# KiCad board Backplane_v2.kicad_pcb (continued)
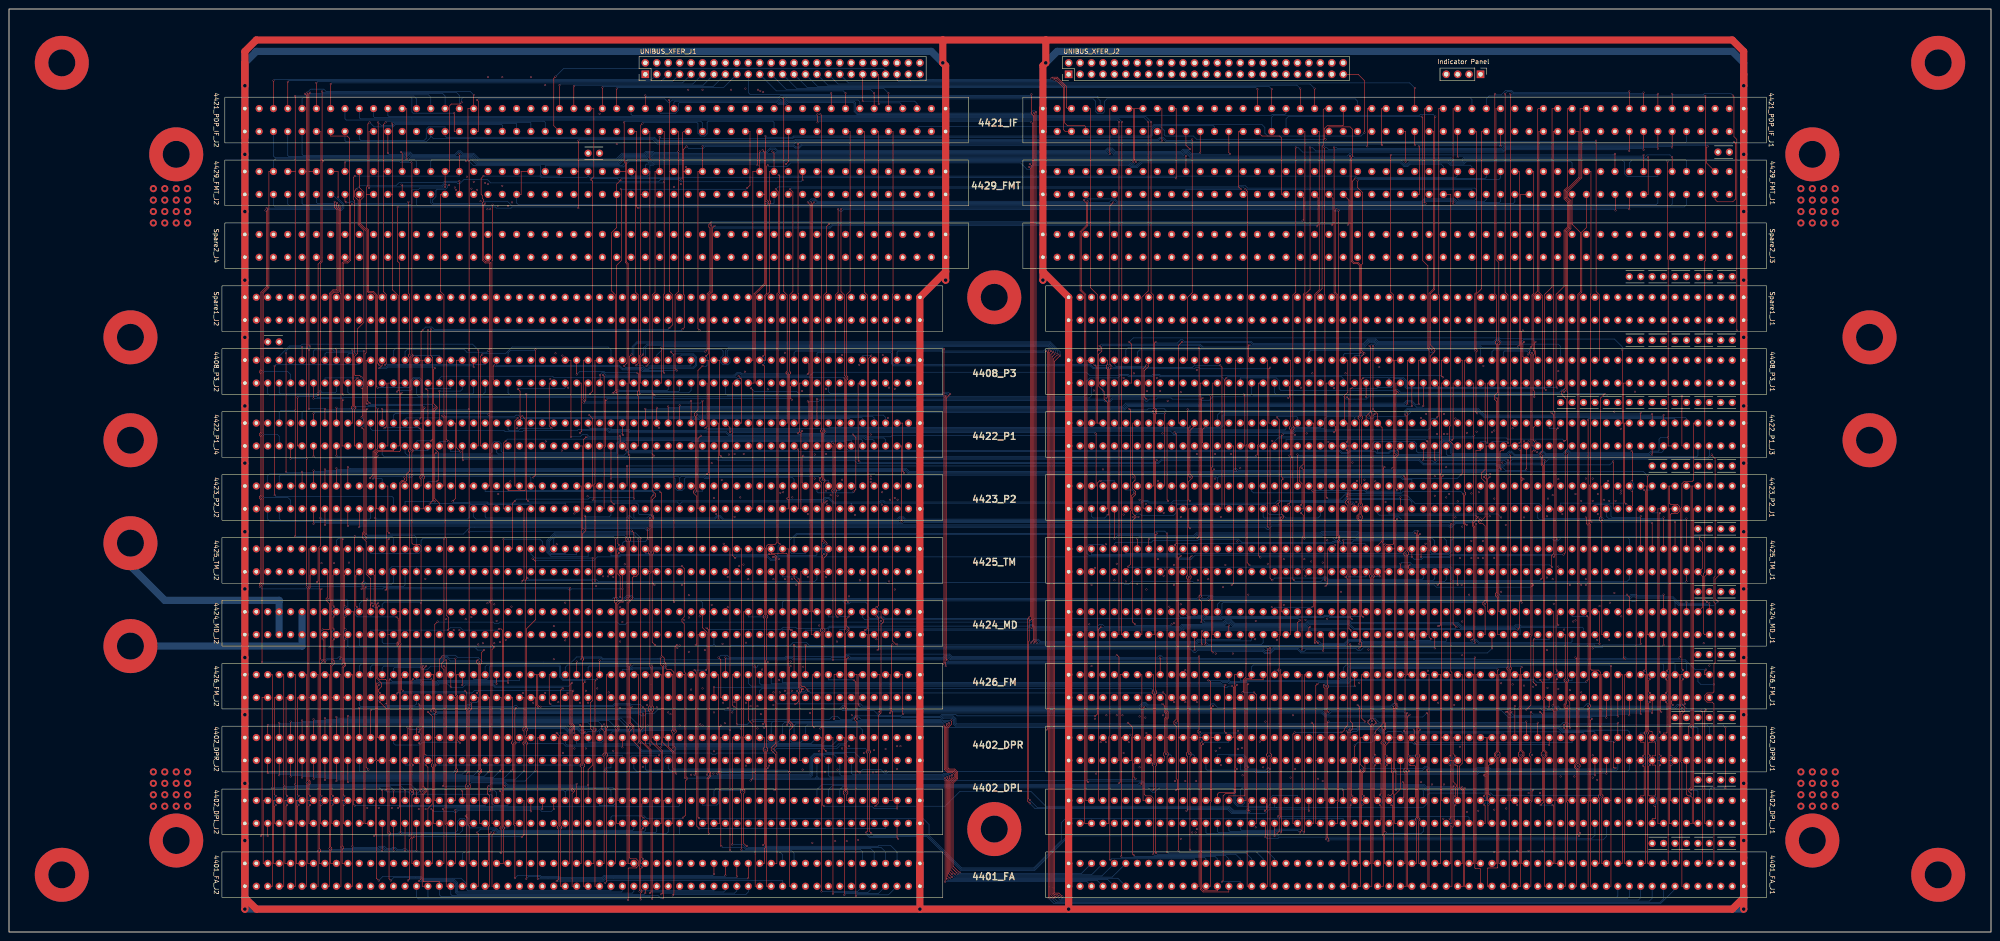
[diagram p0: board, top side]
## Routing (per net, layer and track width the routed paths; a pad name or vN(x,y) marks a point on that pad's centre or on a via; arc(x,y) is an arc through that point) (continued)
MAINC*: length 229.4
  F.SigTop w0.127: v2(134.27,95) 133.64,95.63 4423_P2_J2.55 ; v2(326.68,91.82) 326.17,91.31 326.17,91.06 326.55,90.68 327.19,90.68 327.7,90.17 327.7,73.66 327.19,73.15 327.19,72.77 327.7,72.26 327.7,66.04 4424_MD_J1.48
  B.Sig.Top w0.127: v2(326.68,91.82) 326.3,91.44 309.28,91.44 308.52,92.2 307.76,92.2 307.25,91.69 199.05,91.69 198.54,92.2 197.65,92.2 197.14,91.69 158.66,91.69 157.9,92.46 157.13,92.46 156.63,91.95 143.29,91.95 142.53,92.71 139.99,92.71 139.74,92.96 139.74,94.87 139.36,95.25 134.53,95.25 v2(134.27,95)
MALD*: length 292
  F.SigTop w0.127: 4424_MD_J1.45 328.2,71.12 328.2,100.58 v2(328.71,101.09) ; 4423_P2_J2.103 v2(72.68,103)
  B.Sig.Top w0.127: v2(328.71,101.09) 327.82,101.98 199.81,101.98 199.05,102.74 72.93,102.74 v2(72.68,103)
MALD*A: length 48.1
  F.Sig.In w0.127: v2(158.21,100.39) 158.4,100.2 159.29,100.2 159.8,100.71 159.8,105.28 159.04,106.04 4422_P1_J4.36
  B.Sig.In w0.127: 4423_P2_J2.65 120.94,100.08 121.19,100.33 133.39,100.33 133.51,100.2 133.89,100.2 134.02,100.33 151.04,100.33 151.29,100.58 158.02,100.58 v2(158.21,100.39)
MD00*: length 163.7
  F.SigTop w0.127: v2(186.47,70.1) 185.96,69.6 185.96,67.94 186.47,67.44 186.47,67.06 185.71,66.29 v2(185.71,30.99) ; 4402_DPL_J1.71 v2(296.2,31.5)
  B.Sig.Top w0.127: v2(186.47,70.1) 184.44,70.1 4424_MD_J2.15 ; v2(296.2,31.5) 295.95,31.75 274.61,31.75 274.36,31.5 274.36,28.7 273.85,28.19 272.83,28.19 272.2,28.83 272.2,31.62 271.82,32 255.31,32 254.29,30.99 253.91,30.99 252.89,32 186.09,32 185.71,31.62 v2(185.71,30.99)
MD01*: length 198.7
  F.SigTop w0.127: v2(153.2,25.27) 152.94,25.53 152.94,66.04 4424_MD_J2.40
  B.Sig.Top w0.127: v2(153.2,25.27) 153.32,25.15 202.98,25.15 204.25,23.88 204.25,21.46 211.49,14.22 227.49,14.22 233.59,20.32 233.59,24.26 234.48,25.15 296.2,25.15 4402_DPL_J1.72
MD02*: length 408.6
  F.SigTop w0.127: v2(184.69,160.53) 184.69,142.24 185.46,141.48 185.46,123.63 185.85,123.24 185.85,122.82 185.71,122.68 185.71,67.31 185.84,67.18 v2(185.96,67.18) ; 4429_FMT_J1.18 v2(359.7,160.53) ; v2(294.68,160.53) 294.42,160.27 294.42,142.11 294.93,141.61 294.93,88.01 295.18,87.76 295.18,87.12 294.93,86.87 294.93,29.21 4402_DPL_J1.73
  B.Sig.Top w0.127: v2(185.96,67.18) 184.44,67.18 4424_MD_J2.16 ; v2(184.69,160.53) 184.95,160.78 294.42,160.78 v2(294.68,160.53) 294.93,160.78 359.45,160.78 v2(359.7,160.53)
MD2A2: length 206.4
  F.SigTop w0.127: v2(191.43,128.02) 190.79,127.38 v2(190.79,40) ; v2(92.49,37.08) 93,36.58 4402_DPL_J2.87 ; v2(92.49,39.24) 92.24,39.5 92.24,42.42 4402_DPR_J2.87
  B.Sig.Top w0.127: v2(190.79,40) 190.79,40.13 190.15,40.77 186.09,40.77 185.33,41.53 184.57,41.53 183.81,40.77 170.47,40.77 169.45,39.75 157.13,39.75 156.88,39.5 156.12,39.5 155.87,39.75 132.12,39.75 131.61,39.24 v2(92.49,39.24) 91.98,38.74 91.98,37.59 v2(92.49,37.08) ; v2(191.43,128.02) 189.52,128.02 4408_P3_J2.11
MD2DP: length 234.3
  F.SigTop w0.127: 94.02,38.1 4402_DPR_J2.88 ; 94.02,38.1 94.02,47.88 v2(93,48.89) ; 94.02,38.1 94.02,37.47 93.76,37.21 93.76,36.83 94.02,36.58 94.02,28.45 93,27.43 4402_DPL_J2.88 ; v2(242.35,100.2) 242.1,100.2 241.59,99.69 241.59,48.39 241.21,48.01 v2(241.08,48.01)
  B.Sig.Top w0.127: 4423_P2_J1.111 245.4,100.2 v2(242.35,100.2) ; v2(241.08,48.01) 210.48,48.01 210.22,48.26 207.05,48.26 206.67,47.88 198.28,47.88 198.03,48.13 193.08,48.13 192.06,49.15 185.07,49.15 184.82,49.4 160.94,49.4 160.82,49.28 158.91,49.28 158.66,49.53 144.18,49.53 143.17,48.51 141.51,48.51 141.01,48.01 140.37,48.01 139.86,48.51 95.16,48.51 94.91,48.26 93.63,48.26 v2(93,48.89)
MD2M2: length 111.8
  F.SigTop w0.127: v2(127.8,92.46) 128.05,92.2 128.05,89.15 127.29,88.39 127.29,61.09 127.54,60.83 127.54,60.45 127.29,60.2 v2(127.29,37.08) ; 4402_DPL_J2.86 94.27,24.13 v2(94.27,37.08)
  B.Sig.Top w0.127: 4423_P2_J2.56 133.64,92.58 133.26,92.2 128.05,92.2 v2(127.8,92.46) ; 95.54,37.08 4402_DPR_J2.86 ; 95.54,37.08 v2(94.27,37.08) ; 95.54,37.08 v2(127.29,37.08)
MD03*: length 409.2
  F.SigTop w0.127: 4402_DPL_J1.74 294.93,24.13 294.93,28.83 295.18,29.08 295.18,86.74 295.44,87 295.44,87.88 295.18,88.14 v2(295.18,160.27) ; v2(183.93,69.98) 183.42,70.49 183.42,97.66 183.68,97.92 183.68,98.17 183.42,98.42 183.42,141.48 184.06,142.11 v2(184.06,160.53) ; v2(356.65,160.27) 356.65,163.7 4429_FMT_J1.20
  B.Sig.Top w0.127: v2(356.65,160.27) 356.4,160.53 295.44,160.53 v2(295.18,160.27) 295.05,160.14 294.3,160.14 293.91,160.53 185.33,160.53 184.82,160.02 184.57,160.02 v2(184.06,160.53) ; 4424_MD_J2.17 181.9,69.98 v2(183.93,69.98)
MD3BSY: length 111
  F.SigTop w0.127: 4408_P3_J1.74 292.39,121.92 292.39,96.65 v2(292.64,96.39) ; v2(350.05,92.08) 350.18,91.95 350.18,90.68 350.56,90.3 350.56,71.12 4424_MD_J1.29
  B.Sig.Top w0.127: v2(292.64,96.39) 292.9,96.14 295.56,96.14 296.83,97.41 297.22,97.41 297.6,97.03 310.3,97.03 312.2,95.12 339.76,95.12 340.4,94.49 340.4,92.08 340.65,91.82 349.79,91.82 v2(350.05,92.08)
MD3REJ: length 140.4
  F.SigTop w0.127: 4424_MD_J1.26 353.6,66.04 353.6,90.93 353.1,91.44 353.1,92.08 353.35,92.33 353.35,118.62 v2(354.24,119.51)
  B.Sig.Top w0.127: v2(354.24,119.51) 354.11,119.63 346.24,119.63 345.48,120.4 344.71,120.4 344.21,119.89 308.9,119.89 308.26,120.52 307.88,120.52 307.63,120.27 282.36,120.27 281.98,120.65 281.98,122.43 281.34,123.06 273.34,123.06 4408_P3_J1.90
MD04*: length 295.9
  F.SigTop w0.127: 4429_FMT_J1.32 335.57,163.83 335.57,108.84 v2(335.32,108.58) ; v2(335.32,107.19) 335.57,106.93 335.57,73.53 335.32,73.28 335.32,67.56 v2(334.94,67.18) ; v2(242.48,67.82) 241.84,67.18 241.84,29.21 4402_DPL_J1.113
  B.Sig.Top w0.127: v2(335.32,107.19) 335.57,107.44 335.57,108.33 v2(335.32,108.58) ; v2(334.94,67.18) 298.49,67.18 297.34,68.33 288.71,68.33 288.2,67.82 271.69,67.82 270.93,68.58 270.42,68.58 269.91,68.07 260.51,68.07 260,67.56 242.73,67.56 v2(242.48,67.82) 242.23,67.56 227.62,67.56 227.11,68.07 226.86,68.07 226.1,67.31 190.66,67.31 190.28,67.69 182.28,67.69 181.9,67.31 4424_MD_J2.18
MD05*: length 390
  F.SigTop w0.127: 4424_MD_J2.19 178.34,71.12 178.34,161.67 v2(178.73,162.05) ; 4402_DPL_J1.114 244.13,24.13 244.13,43.31 244.38,43.56 244.38,124.97 244.64,125.22 244.64,125.86 244.38,126.11 244.38,161.29 v2(245.15,162.05)
  B.Sig.Top w0.127: 4429_FMT_J1.34 334.3,162.18 333.92,161.8 321.22,161.8 320.71,162.31 314.36,162.31 313.85,161.8 245.4,161.8 v2(245.15,162.05) 244.89,161.8 178.98,161.8 v2(178.73,162.05)
MD06*: length 389
  F.SigTop w0.127: 4402_DPL_J1.115 239.05,29.21 239.05,141.61 238.03,142.62 238.03,155.45 239.43,156.84 v2(239.43,162.31) ; 4424_MD_J2.20 178.09,66.04 178.09,161.93 v2(177.96,162.05)
  B.Sig.Top w0.127: 4429_FMT_J1.36 331.12,162.31 330.87,162.05 321.35,162.05 320.84,162.56 314.23,162.56 313.73,162.05 245.91,162.05 245.4,162.56 244.76,162.56 244.26,162.05 239.69,162.05 v2(239.43,162.31) 239.18,162.05 179.36,162.05 178.85,162.56 178.47,162.56 v2(177.96,162.05)
MD07*: length 386.6
  F.SigTop w0.127: v2(238.67,162.56) 238.67,162.43 239.18,161.93 239.18,156.97 237.78,155.57 237.78,142.49 238.8,141.48 238.8,24.13 4402_DPL_J1.116 ; v2(177.33,162.05) 177.84,161.54 177.84,71.12 4424_MD_J2.21
  B.Sig.Top w0.127: 4429_FMT_J1.38 327.95,162.69 327.57,162.31 321.47,162.31 320.96,162.81 314.11,162.81 313.6,162.31 246.04,162.31 245.53,162.81 238.92,162.81 v2(238.67,162.56) 238.42,162.31 179.49,162.31 178.98,162.81 178.09,162.81 v2(177.33,162.05)
MD08*: length 276.8
  F.SigTop w0.127: v2(297.22,157.1) 297.47,157.35 297.47,162.56 4429_FMT_J1.58 ; v2(197.14,27.43) 4402_DPL_J2.5 ; v2(180.89,83.95) 180.63,83.68 v2(180.63,66.93) 180.63,28.19 v2(180.88,27.94) ; v2(180.88,86.49) 180.63,86.74 180.63,95.25 180.88,95.5 180.88,99.82 181.14,100.08 181.14,100.46 180.88,100.71 180.88,110.87 181.14,111.12 181.14,111.38 180.88,111.63 180.88,141.48 181.52,142.11 181.52,156.72 v2(182.03,157.23)
  B.Sig.Top w0.127: v2(182.03,157.23) 182.28,157.48 296.83,157.48 v2(297.22,157.1) ; 4424_MD_J2.22 176.82,67.06 180.5,67.06 v2(180.63,66.93) ; v2(180.88,86.49) 180.63,86.23 180.63,84.21 v2(180.89,83.95) ; v2(197.14,27.43) 192.06,27.43 191.55,27.94 v2(180.88,27.94)
MD09*: length 327.7
  F.SigTop w0.127: 155.48,71.12 155.48,35.69 155.74,35.43 155.74,34.54 155.23,34.04 155.23,21.97 v2(155.36,21.84) ; 155.48,71.12 4424_MD_J2.37 ; 155.48,71.12 155.48,141.48 156.12,142.11 156.12,156.34 v2(156.63,156.84) ; 293.02,163.83 293.91,162.94 293.91,157.23 v2(293.66,156.97) ; 4402_DPL_J2.6 197.14,20.96 v2(197.39,20.7)
  B.Sig.Top w0.127: v2(293.66,156.97) 293.41,157.23 182.79,157.23 182.15,156.59 156.88,156.59 v2(156.63,156.84) ; v2(197.39,20.7) 197.14,20.96 191.04,20.96 190.41,21.59 155.61,21.59 v2(155.36,21.84)
MD10*: length 322.2
  F.SigTop w0.127: v2(152.44,63.75) 152.69,64.01 152.69,96.77 151.93,97.54 151.93,97.92 152.44,98.42 152.44,114.43 152.18,114.68 152.18,115.19 152.94,115.95 152.94,124.71 v2(153.96,125.73) ; 4402_DPL_J2.7 196.12,29.21 196.12,48.89 195.87,49.15 195.87,63.63 v2(196.12,63.88) ; v2(290.36,156.72) 290.61,156.97 290.61,163.07 4429_FMT_J1.62 ; v2(155.87,156.97) 155.87,142.24 155.23,141.61 155.23,128.4 v2(154.72,127.89)
  B.Sig.Top w0.127: v2(155.87,156.97) 156.5,156.34 182.28,156.34 182.92,156.97 290.1,156.97 v2(290.36,156.72) ; 156.5,63.88 156.25,63.63 152.56,63.63 v2(152.44,63.75) ; 156.5,63.88 156.88,63.5 160.18,63.5 160.31,63.63 173.39,63.63 174.03,64.26 177.07,64.26 177.71,63.63 195.87,63.63 v2(196.12,63.88) ; 156.5,63.88 4424_MD_J2.38 ; v2(154.72,127.89) 154.98,127.63 154.98,125.86 154.72,125.6 154.09,125.6 v2(153.96,125.73)
MD11*: length 333.6
  F.SigTop w0.127: v2(155.87,157.61) 155.36,157.1 155.36,156.59 155.61,156.34 155.61,142.37 154.98,141.73 154.98,129.29 v2(154.6,128.9) ; 4429_FMT_J1.64 287.44,163.07 287.44,158.24 v2(287.18,157.99) ; 4424_MD_J2.39 153.96,67.56 154.98,66.55 154.98,58.42 v2(154.72,58.17) ; v2(152.18,58.17) 152.69,57.66 152.69,23.5 v2(153.2,22.99) ; v2(146.98,128.9) 146.98,128.78 147.61,128.14 v2(147.61,73.28)
  B.Sig.Top w0.127: v2(287.18,157.99) 286.93,157.73 155.99,157.73 v2(155.87,157.61) ; v2(154.72,58.17) v2(152.18,58.17) ; 4402_DPL_J2.8 194.6,22.99 v2(153.2,22.99) ; v2(154.6,128.9) 154.47,129.03 147.1,129.03 v2(146.98,128.9) ; 4424_MD_J2.39 153.96,73.15 153.58,73.53 147.86,73.53 v2(147.61,73.28)
MD12*: length 278.3
  F.Sig.In w0.127: v2(150.91,74.8) 150.66,74.55 150.66,71.88 4424_MD_J2.41 ; v2(273.72,40.89) 274.1,40.89 274.61,41.4 274.61,55.25 274.86,55.5 274.86,74.68 v2(275.12,74.93) 274.86,75.18 274.86,141.48 274.99,141.61 274.99,163.83 4429_FMT_J1.72
  B.Sig.In w0.127: 4402_DPR_J1.71 296.2,41.15 295.69,40.64 273.98,40.64 v2(273.72,40.89) ; v2(275.12,74.93) 274.86,75.18 151.29,75.18 v2(150.91,74.8)
MD13*: length 276.1
  F.Sig.In w0.127: 4429_FMT_J1.74 272.07,163.83 272.07,102.87 271.82,102.62 271.82,77.34 272.07,77.09 272.07,62.23 v2(271.69,61.85) 272.07,61.47 272.07,41.4 v2(272.83,40.64) ; v2(150.91,62.23) 150.91,65.53 4424_MD_J2.42
  B.Sig.In w0.127: v2(150.91,62.23) 151.8,62.23 151.93,62.1 262.55,62.1 262.8,61.85 263.56,61.85 263.81,62.1 266.1,62.1 266.86,61.34 268.13,61.34 268.39,61.6 271.44,61.6 v2(271.69,61.85) ; v2(272.83,40.64) 273.09,40.39 295.31,40.39 296.2,39.5 4402_DPR_J1.72
MD14*: length 279.2
  F.Sig.In w0.127: v2(268.77,40.89) 269.28,41.4 269.28,76.33 v2(269.53,76.58) 269.53,163.32 269.02,163.83 4429_FMT_J1.76 ; v2(149.39,77.09) 149.64,76.84 149.64,71.88 4424_MD_J2.43
  B.Sig.In w0.127: v2(149.39,77.09) 149.9,76.58 v2(269.53,76.58) ; 4402_DPR_J1.73 293.66,41.27 293.28,40.89 274.86,40.89 274.1,41.66 269.53,41.66 v2(268.77,40.89)
MD15*: length 277.2
  F.Sig.In w0.127: 267.75,61.98 v2(267.88,61.85) ; 267.75,61.98 267.24,61.47 267.24,50.8 267.75,50.29 267.75,49.91 267.24,49.4 267.24,40.89 v2(267.88,40.26) ; 267.75,61.98 267.88,62.1 267.88,62.48 267.24,63.12 267.24,84.58 266.99,84.84 266.99,118.75 267.24,119 267.24,119.51 266.74,120.01 266.74,148.59 266.1,149.22 266.1,163.45 265.72,163.83 4429_FMT_J1.78 ; v2(148.88,63.63) 4424_MD_J2.44
  B.Sig.In w0.127: v2(267.88,40.26) 268.39,40.26 268.77,39.88 293.28,39.88 293.66,39.5 4402_DPR_J1.74 ; v2(267.88,61.85) 267.62,61.85 267.37,61.6 267.12,61.6 266.36,62.36 263.56,62.36 263.31,62.1 263.05,62.1 262.8,62.36 193.71,62.36 192.95,63.12 151.67,63.12 151.04,63.75 149.01,63.75 v2(148.88,63.63)
MD16*: length 281.1
  F.Sig.In w0.127: v2(128.05,40.77) 127.54,41.27 127.54,44.07 127.29,44.32 127.29,44.83 127.54,45.09 127.54,52.83 127.8,53.09 128.18,53.09 128.56,53.47 128.56,55.63 127.54,56.64 127.54,71.12 4424_MD_J2.59 ; v2(248.96,43.81) 248.96,99.95 248.7,100.2 248.7,101.22 248.96,101.47 248.96,115.06 248.19,115.82 248.19,116.46 248.96,117.22 248.96,124.33 249.21,124.59 249.21,141.61 249.72,142.11 249.72,163.83 4429_FMT_J1.88
  B.Sig.In w0.127: 242.86,44.32 231.18,44.32 230.67,43.81 204.25,43.81 203.87,44.2 160.56,44.2 160.44,44.07 159.55,44.07 159.29,44.32 147.99,44.32 147.74,44.07 147.36,44.07 147.1,44.32 129.96,44.32 129.58,43.94 129.58,42.54 129.19,42.16 128.43,42.16 128.05,41.78 v2(128.05,40.77) ; 242.86,44.32 248.45,44.32 v2(248.96,43.81) ; 242.86,44.32 4402_DPR_J1.113
MD17*: length 287.2
  F.Sig.In w0.127: 244.13,42.8 244.13,50.29 244.76,50.93 245.91,50.93 246.42,51.43 246.42,80.52 245.52,81.42 245.52,82.29 246.42,83.18 246.42,163.83 4429_FMT_J1.90 ; 244.13,42.8 v2(243.5,42.16) 244.13,41.53 ; 244.13,42.8 244.13,41.53 ; 4402_DPR_J1.114 244.13,38.1 244.13,41.53 ; v2(122.97,39.75) 122.46,40.26 122.46,43.94 122.72,44.2 122.72,50.67 122.46,50.93 122.46,63.75 v2(123.48,64.77)
  B.Sig.In w0.127: 4424_MD_J2.60 128.56,65.02 128.18,64.64 123.61,64.64 v2(123.48,64.77) ; v2(122.97,39.75) 123.23,40 128.43,40 128.81,40.39 128.81,40.89 129.83,41.91 136.05,41.91 137.07,40.89 142.4,40.89 143.29,41.78 241.34,41.78 241.59,41.53 242.86,41.53 v2(243.5,42.16)
MD18*: length 274.9
  F.Sig.In w0.127: 4429_FMT_J1.92 241.21,163.83 241.21,142.37 241.59,141.99 241.59,126.37 241.84,126.11 241.84,111.12 241.97,111 241.97,110.36 241.84,110.24 241.84,42.67 v2(242.35,42.16) ; v2(125.51,40.77) 125,41.27 125,44.83 125.26,45.09 125.26,45.72 125,45.97 125,52.71 125.77,53.47 125.77,55.63 125,56.39 125,71.12 4424_MD_J2.61
  B.Sig.In w0.127: 240.32,42.16 4402_DPR_J1.115 ; 240.32,42.16 v2(242.35,42.16) ; 240.32,42.16 140.12,42.16 139.86,42.42 139.61,42.42 139.36,42.16 129.7,42.16 128.56,41.02 128.56,40.64 128.3,40.38 125.9,40.38 v2(125.51,40.77)
MD19*: length 245.3
  F.Sig.In w0.127: 239.3,68.07 239.3,68.58 ; 239.3,68.07 239.3,38.1 4402_DPR_J1.116 ; 239.3,68.07 239.56,68.33 ; 239.3,68.58 239.56,68.33 ; 239.3,68.58 239.3,147.83 238.03,149.1 238.03,163.83 4429_FMT_J1.94 ; v2(239.81,68.33) 239.56,68.33
  B.Sig.In w0.127: 4424_MD_J2.62 126.02,67.94 126.4,68.33 178.47,68.33 178.73,68.58 181.01,68.58 181.26,68.33 v2(239.81,68.33)
MD20*: length 204.4
  F.Sig.In w0.127: v2(197.14,41.27) 4402_DPR_J2.5 ; v2(186.47,41.27) 185.96,41.78 185.96,60.07 186.73,60.83 186.73,61.09 185.96,61.85 185.96,66.55 186.47,67.06 186.47,67.44 185.96,67.94 185.96,72.01 186.61,72.65 186.61,74.41 v2(186.47,74.55) 185.96,75.06 185.96,122.56 186.22,122.81 186.22,123.32 185.96,123.57 185.96,141.61 186.73,142.37 186.73,163.83 4429_FMT_J2.16 ; v2(123.48,73.15) 4424_MD_J2.63
  B.Sig.In w0.127: v2(186.47,74.55) 186.22,74.29 138.72,74.29 137.44,73.02 123.62,73.02 v2(123.48,73.15) ; v2(197.14,41.27) 196.89,41.53 186.73,41.53 v2(186.47,41.27)
MD21*: length 212.7
  F.Sig.In w0.127: v2(183.93,36.07) 183.42,36.58 183.42,46.74 183.68,46.99 183.68,47.37 183.42,47.62 183.42,64.13 v2(183.81,64.52) 183.42,64.9 183.42,97.66 183.68,97.92 183.68,98.17 183.42,98.42 183.42,108.33 183.68,108.58 183.68,109.35 183.42,109.6 183.42,141.61 183.55,141.73 183.55,163.83 4429_FMT_J2.18 ; v2(197.14,36.19) 4402_DPR_J2.6
  B.Sig.In w0.127: v2(197.14,36.19) 197.01,36.32 184.19,36.32 v2(183.93,36.07) ; v2(183.81,64.52) 183.55,64.77 150.53,64.77 149.9,65.4 149.9,66.8 149.64,67.06 137.45,67.06 137.2,66.8 137.2,64.52 136.69,64.01 123.61,64.01 122.97,64.64 122.97,66.04 4424_MD_J2.64
MD22*: length 212.4
  F.Sig.In w0.127: v2(120.94,67.94) 4424_MD_J2.65 ; v2(179.87,40.13) 180.38,40.64 180.38,44.7 180.63,44.96 180.63,45.47 180.38,45.72 180.38,66.55 180.12,66.8 180.12,68.07 ; v2(194.6,40.64) 4402_DPR_J2.7 ; 180.12,68.07 180.38,68.33 180.38,82.8 180,83.18 180,84.2 180.38,84.58 180.38,85.73 180,86.11 180,87.12 180.38,87.5 180.38,99.82 179.6,100.59 179.6,101.08 180.38,101.85 180.38,110.87 180.12,111.12 180.12,111.38 180.38,111.63 180.38,163.83 4429_FMT_J2.20 ; 180.12,68.07 v2(179.87,68.07)
  B.Sig.In w0.127: v2(179.87,40.13) 180.38,40.64 183.93,40.64 184.57,41.27 185.2,41.27 185.84,40.64 186.73,40.64 186.98,40.89 192.44,40.89 192.69,40.64 v2(194.6,40.64) ; v2(179.87,68.07) 127.29,68.07 127.04,67.82 127.04,65.53 126.53,65.02 125.51,65.02 125,65.53 125,67.56 124.62,67.94 v2(120.94,67.94)
MD23*: length 212.7
  F.Sig.In w0.127: v2(194.6,35.81) 4402_DPR_J2.8 ; 4429_FMT_J2.22 175.17,163.83 175.17,141.86 175.3,141.73 175.3,111.38 175.8,110.87 175.8,59.44 v2(176.31,58.93) 175.8,58.42 175.8,36.45 v2(176.19,36.07) ; v2(120.94,60.58) 4424_MD_J2.66
  B.Sig.In w0.127: v2(120.94,60.58) 126.27,60.58 127.04,59.82 131.61,59.82 131.74,59.94 145.58,59.94 145.83,59.69 166.79,59.69 167.17,59.31 168.44,59.31 168.69,59.56 175.68,59.56 v2(176.31,58.93) ; v2(194.6,35.81) 194.35,36.07 186.22,36.07 185.71,35.56 183.68,35.56 183.17,36.07 v2(176.19,36.07)
MD24*: length 178.5
  F.Sig.In w0.127: 4402_DPR_J2.73 111.8,43.18 111.8,72.01 v2(111.54,72.26) 111.8,72.52 111.8,149.22 111.67,149.35 v2(111.67,162.05)
  B.Sig.In w0.127: 4424_MD_J2.81 100.62,72.26 v2(111.54,72.26) ; v2(111.67,162.05) 111.92,161.8 143.17,161.8 143.42,162.05 143.42,164.46 143.93,164.97 153.96,164.97 4429_FMT_J2.36
MD25*: length 178.7
  F.Sig.In w0.127: v2(110.27,64.9) 110.14,64.9 ; 110.14,64.9 110.14,65.02 109.76,65.4 109.76,86.61 110.27,87.12 110.27,92.71 109.76,93.22 109.76,148.46 110.53,149.22 110.53,161.04 v2(110.78,161.29) ; 110.14,64.9 110.14,64.77 109.76,64.39 109.76,38.1 4402_DPR_J2.74
  B.Sig.In w0.127: v2(110.78,161.29) 150.53,161.29 150.79,161.54 4429_FMT_J2.38 ; v2(110.27,64.9) 100.62,64.9 4424_MD_J2.82
MD26*: length 178
  F.Sig.In w0.127: 107.35,72.77 107.22,72.64 107.22,43.18 4402_DPR_J2.75 ; 107.35,72.77 107.22,72.9 107.22,148.72 107.61,149.1 107.61,160.4 107.48,160.53 v2(106.84,160.53) ; 107.35,72.77 v2(107.73,72.77) ; v2(147.61,165.48) 4429_FMT_J2.40
  B.Sig.In w0.127: v2(106.84,160.53) 106.72,160.65 106.72,161.8 106.97,162.05 108.5,162.05 108.62,161.93 110.79,161.93 111.3,162.44 111.91,162.44 112.3,162.05 142.91,162.05 143.17,162.31 143.17,164.59 143.8,165.23 147.36,165.23 v2(147.61,165.48) ; v2(107.73,72.77) 107.35,72.77 107.1,72.52 98.08,72.52 4424_MD_J2.83
MD27*: length 175.8
  F.Sig.In w0.127: 4402_DPR_J2.76 109.26,38.1 109.26,64.26 109.13,64.39 ; 109.13,64.39 109.26,64.52 109.26,87.38 109.51,87.63 109.51,114.81 109.26,115.06 109.26,148.59 108.49,149.35 v2(108.49,161.29) ; 109.13,64.39 v2(109,64.39)
  B.Sig.In w0.127: 4424_MD_J2.84 98.08,64.9 98.33,64.64 108.88,64.64 109,64.52 v2(109,64.39) ; v2(108.49,161.29) 108.49,161.54 108.63,161.68 111.28,161.68 111.42,161.54 144.18,161.54 144.44,161.8 4429_FMT_J2.42
MD28*: length 157.6
  F.Sig.In w0.127: 4402_DPR_J2.77 106.72,43.18 106.72,72.52 v2(106.21,73.02) 106.21,78.74 106.97,79.5 106.97,148.84 107.35,149.22 107.35,159.38 v2(106.21,160.53)
  B.Sig.In w0.127: v2(106.21,73.02) 105.95,72.77 95.79,72.77 95.54,72.52 4424_MD_J2.85 ; v2(106.21,160.53) 106.33,160.65 106.33,161.93 106.72,162.31 108.63,162.31 108.75,162.19 110.66,162.19 111.29,162.81 111.92,162.81 112.43,162.31 128.43,162.31 128.56,162.43 4429_FMT_J2.52
MD29*: length 159.5
  F.Sig.In w0.127: 105.06,64.13 105.06,64.01 104.94,63.88 104.94,59.69 104.68,59.44 104.68,38.1 4402_DPR_J2.78 ; 105.06,64.13 105.06,64.26 104.68,64.64 104.68,128.14 104.56,128.27 104.56,128.9 104.68,129.03 v2(104.68,162.31) ; 105.06,64.13 v2(105.19,64.13)
  B.Sig.In w0.127: v2(105.19,64.13) 104.94,64.39 95.79,64.39 95.54,64.64 4424_MD_J2.86 ; 4429_FMT_J2.54 125.38,162.69 125.26,162.56 112.56,162.56 112.05,163.07 111.16,163.07 110.65,162.56 104.94,162.56 v2(104.68,162.31)
MD30*: length 156.8
  F.Sig.In w0.127: 4402_DPR_J2.79 102.14,43.18 102.14,49.23 102.53,49.62 102.53,50.41 102.14,50.8 102.14,69.72 102.4,69.98 ; v2(102.65,165.1) 102.14,164.59 102.14,129.92 102.53,129.53 102.53,129.12 102.14,128.73 102.14,116.97 102.65,116.46 102.65,115.95 102.14,115.44 102.14,89.66 102.65,89.15 102.65,88.77 102.14,88.26 102.14,70.23 102.4,69.98 ; v2(102.65,69.98) 102.4,69.98
  B.Sig.In w0.127: v2(102.65,69.98) 93,69.98 4424_MD_J2.87 ; v2(102.65,165.1) 102.79,165.24 121.95,165.24 122.21,164.97 4429_FMT_J2.56
MD31*: length 158.3
  F.Sig.In w0.127: v2(103.92,164.85) 104.18,164.59 104.18,129.92 103.79,129.53 103.79,129.04 104.18,128.65 v2(104.18,63.88) 103.54,63.25 103.54,60.07 104.18,59.44 104.18,53.59 104.43,53.34 104.43,52.96 104.18,52.71 104.18,38.1 4402_DPR_J2.80
  B.Sig.In w0.127: 119.04,163.83 119.04,164.97 104.05,164.97 v2(103.92,164.85) ; 4424_MD_J2.88 93,64.39 93.25,64.13 103.92,64.13 v2(104.18,63.88)
MD32*: length 201.8
  F.SigTop w0.127: 4424_MD_J2.97 80.3,72.52 ; 80.3,72.52 80.3,78.49 79.28,79.5 79.28,86.74 78.52,87.5 78.52,88.65 78.78,88.9 78.78,111.63 v2(78.4,112.01) ; 80.3,72.52 80.3,72.77 v2(80.55,73.02) ; v2(82.33,51.05) 83.86,49.53 83.86,31.75 v2(83.6,31.5) ; v2(77.12,164.97) 76.74,164.59 76.74,163.32 77.51,162.56 77.51,157.1 78.78,155.83 78.78,135.38 77.38,133.99 77.38,128.52 76.74,127.89 76.74,123.7 76.87,123.57 77.89,123.57 v2(78.27,123.19) ; v2(78.27,114.3) 78.27,114.43 78.52,114.68 78.52,120.65 v2(78.27,120.9) ; v2(99.99,166.75) 4429_FMT_J2.70 ; v2(81.95,73.02) 81.57,72.64 81.57,56.39 82.71,55.25 82.71,54.48 82.08,53.85 82.08,53.34 v2(82.33,53.09)
  B.Sig.Top w0.127: v2(82.33,51.05) 81.82,51.56 81.82,52.58 v2(82.33,53.09) ; v2(78.27,120.9) 78.78,121.41 78.78,122.68 v2(78.27,123.19) ; v2(77.12,164.97) 77.89,165.74 85.89,165.74 86.65,166.5 96.43,166.5 96.68,166.75 v2(99.99,166.75) ; 4402_DPL_J2.73 110.78,28.19 110.65,28.07 107.73,28.07 107.22,28.58 107.22,30.35 106.97,30.61 89.19,30.61 88.69,31.11 83.99,31.11 v2(83.6,31.5) ; v2(78.4,112.01) 78.78,112.39 78.78,113.79 v2(78.27,114.3) ; v2(81.95,73.02) v2(80.55,73.02)
MD33*: length 175.7
  F.SigTop w0.127: v2(97.44,67.06) 97.57,67.18 97.57,69.85 97.06,70.36 97.06,87.5 96.81,87.76 96.81,114.55 96.56,114.81 96.56,141.48 95.79,142.24 95.79,163.83 4429_FMT_J2.72 ; v2(109.51,23.11) 109.51,67.06 109.26,67.31 v2(108.75,67.31)
  B.Sig.Top w0.127: v2(108.75,67.31) 108.49,67.06 100.75,67.06 100.24,67.56 97.95,67.56 v2(97.44,67.06) 80.3,67.06 4424_MD_J2.98 ; v2(109.51,23.11) 110.78,23.11 4402_DPL_J2.74
MD34*: length 181
  F.SigTop w0.127: v2(105.7,161.8) 105.32,161.42 105.32,149.35 105.83,148.84 106.72,148.84 106.97,148.59 106.97,73.53 v2(106.72,73.28) 106.97,73.02 106.97,31.75 106.72,31.5 v2(106.72,31.37)
  B.Sig.Top w0.127: 4424_MD_J2.99 77.76,72.9 78.4,73.53 106.46,73.53 v2(106.72,73.28) ; v2(105.7,161.8) 105.45,161.54 94.02,161.54 93.63,161.93 4429_FMT_J2.74 ; 4402_DPL_J2.75 108.24,30.99 107.73,31.5 106.84,31.5 v2(106.72,31.37)
MD35*: length 190.8
  F.SigTop w0.127: v2(107.35,161.54) 107.35,149.22 107.22,149.1 107.22,63.75 v2(107.73,63.25) 107.22,62.74 107.22,24.13 4402_DPL_J2.76
  B.Sig.Top w0.127: v2(107.73,63.25) 103.8,63.25 103.54,63.5 78.01,63.5 77.76,63.75 4424_MD_J2.100 ; v2(107.35,161.54) 107.1,161.29 90.71,161.29 90.46,161.54 4429_FMT_J2.76
MD36*: length 177.4
  F.SigTop w0.127: v2(70.9,73.91) 71.16,74.17 71.16,141.86 71.92,142.62 72.68,142.62 72.81,142.75 72.81,160.4 72.3,160.91 v2(72.3,162.18) ; 4424_MD_J2.101 76.49,71.12 76.49,28.32 v2(76.74,28.07)
  B.Sig.Top w0.127: 4429_FMT_J2.90 68.24,162.05 68.49,161.8 72.04,161.8 72.3,162.05 v2(72.3,162.18) ; v2(76.74,28.07) 105.7,28.07 4402_DPL_J2.77 ; 4424_MD_J2.101 75.22,73.66 74.97,73.91 v2(70.9,73.91)
MD37*: length 188
  F.SigTop w0.127: v2(71.16,63.25) 71.41,63.5 71.41,141.73 72.04,142.37 72.93,142.37 73.06,142.49 73.06,160.53 72.68,160.91 72.68,161.67 72.81,161.8 v2(72.81,161.93) ; v2(105.45,62.61) 104.94,62.1 104.94,59.69 104.68,59.44 104.68,36.32 104.94,36.07 104.94,35.56 104.43,35.05 104.43,24.13 4402_DPL_J2.78
  B.Sig.Top w0.127: 75.22,63.5 74.97,63.25 v2(71.16,63.25) ; 75.22,63.5 75.47,63.25 103.41,63.25 104.05,62.61 v2(105.45,62.61) ; 75.22,63.5 4424_MD_J2.102 ; 4429_FMT_J2.92 65.06,161.8 65.31,161.54 72.55,161.54 72.81,161.8 v2(72.81,161.93)
MD38*: length 182.8
  F.SigTop w0.127: 71.66,71.12 v2(71.66,59.94) ; 71.66,71.12 4424_MD_J2.103 ; 71.66,71.12 71.66,141.61 72.17,142.11 73.19,142.11 73.31,142.24 73.31,160.74 73.06,160.99 73.06,161.16 73.19,161.29 73.19,161.42 v2(73.31,161.54) ; v2(104.43,59.94) 104.43,36.19 104.68,35.94 104.68,35.69 104.18,35.18 104.18,29.21 4402_DPL_J2.79
  B.Sig.Top w0.127: v2(71.66,59.94) v2(104.43,59.94) ; 4429_FMT_J2.94 61.88,161.67 62.27,161.29 73.06,161.29 v2(73.31,161.54)
MD39*: length 189.8
  F.SigTop w0.127: 73.7,66.04 73.7,60.96 v2(73.44,60.71) ; 73.7,66.04 4424_MD_J2.104 ; 73.7,66.04 73.7,141.73 73.57,141.86 v2(73.57,161.04) ; 4402_DPL_J2.80 102.14,24.13 102.14,31.88 102.4,32.13 102.4,32.64 102.14,32.89 102.14,49.02 102.65,49.53 v2(102.65,50.93) ; v2(104.05,60.45) 103.8,60.2 103.8,59.82 104.18,59.44 104.18,53.34 v2(103.92,53.09)